# Altium PCB GameBoard_V1I1.PcbDoc (part 13 of 22) (continued)
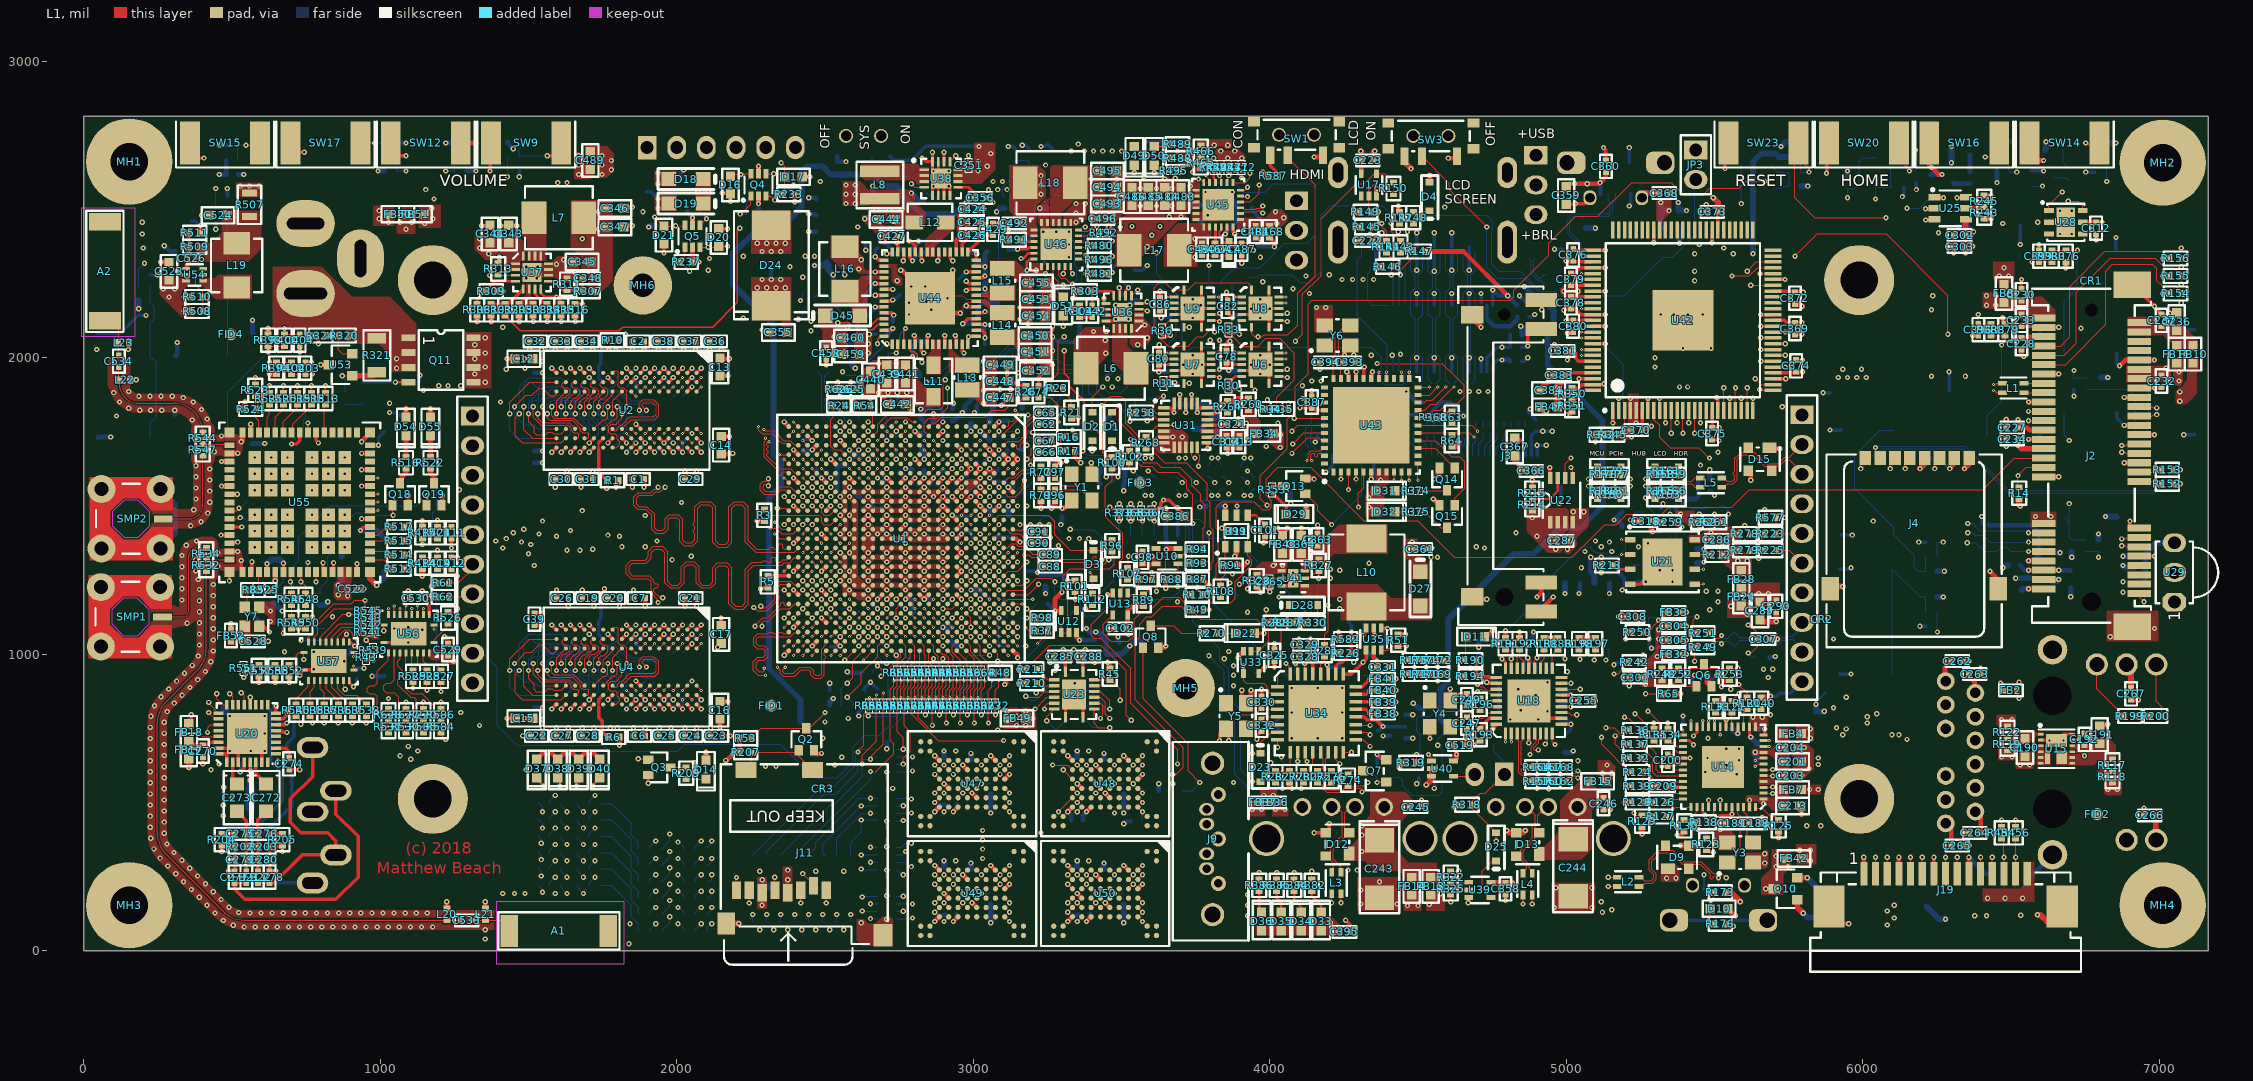
[diagram p0: L1 view]
## Nets (pads, with @x,y where several pads share a name; then routed paths per layer and width w, separated by ;. In a path a pad name is that pad's centre, name@x,y a point inside that pad or via, vN(x,y) a via of type N, cw(c..) or ccw(c..) an arc to the next point about the centre after c; other vN are vias at no path point) (continued)
  L1 w15.75: v1(149.61,2027.56) 152.56,2030.51 L23.2@152.56,2051.18 ; L22.2@156.5,1925.2 v1(177.17,1925.2) ; v1(259.84,2322.83) 285.43,2322.83 C523.2@287.4,2320.87 ; v1(338.58,2204.72) R510.1@362.2,2204.72 ; R511.1@393.7,2421.26 v1(393.7,2444.88) ; v1(397.64,2480.31) C524.2@423.23,2480.31 ; v1(464.57,1566.93) U55.23@491.14,1566.93 ; v1(464.57,1649.61) U55.20@491.14,1649.61 ; U55.24@491.14,1539.37 v1(517.72,1539.37) ; U55.19@491.14,1677.17 v1(519.68,1677.17) ; v1(531.5,1716.54) 535.43,1720.47 U55.16@535.43,1747.05 ; U55.15@562.99,1747.05 v1(562.99,1775.59) ; C528.1@590.55,1043.31 v1(622.05,1043.31) ; v1(692.91,905.51) R552.1@692.91,925.2 ; v1(937.01,1677.17) U55.63@965.55,1677.17 ; v1(937.01,1716.54) 937.01,1718.5 U55.1@965.55,1747.05 ; U55.64@965.55,1704.72 v1(994.09,1704.72) ; U56.21@1066.93,1039.37 U56.21@1096.46,1068.9 ; Q18.2@1093.9,1505.96 1094.49,1506.56 v1(1094.49,1535.43) ; Q19.2@1208.07,1505.96 1208.66,1506.56 v1(1208.66,1535.43) ; v1(1216.54,1059.06) 1228.35,1047.24 C529.1@1228.35,1035.43 ; L20.2@1224.41,140.75 v1(1224.41,165.35) ; L21.2@1354.33,140.75 v1(1354.33,165.35) ; R309.1@1393.7,2224.41 v1(1413.39,2224.41) ; v2(1427.17,783.46) C15.2@1454.72,783.46 ; v2(1427.17,1996.06) C12.2@1454.72,1996.06 ; v2(1480.31,724.41) C22.2@1507.87,724.41 ; v2(1503.94,2027.56) C32.2@1503.94,2055.12 ; v1(1515.75,2122.05) R308.1@1515.75,2141.73 ; C39.2@1519.69,1137.8 v2(1547.24,1137.8) ; v1(1562.99,2122.05) R314.1@1562.99,2141.73 ; v2(1590.55,1562.99) C30.2@1590.55,1590.55 ; v2(1590.55,2027.56) C33.2@1590.55,2055.12 ; C27.2@1594.49,724.41 v2(1594.49,751.97) ; C26.2@1594.49,1188.98 v2(1594.49,1216.54) ; v1(1610.24,2122.05) R315.1@1610.24,2141.73 ; v1(1657.48,2122.05) R316.1@1657.48,2141.73 ; v2(1677.17,1562.99) C31.2@1677.17,1590.55 ; v2(1677.17,2027.56) C34.2@1677.17,2055.12 ; C28.2@1681.1,724.41 v2(1681.1,751.97) ; C19.2@1681.1,1188.98 v2(1681.1,1216.54) ; v2(1795.28,1562.99) 1803.15,1570.87 R1.1@1803.15,1586.61 ; v2(1807.09,692.91) R6.1@1807.09,720.47 ; v2(1807.09,1161.42) C20.2@1807.09,1188.98 ; C347.2@1820.87,2440.94 1824.8,2444.88 v1(1850.39,2444.88) ; C346.2@1820.87,2503.94 1824.8,2507.87 v1(1850.39,2507.87) ; v2(1889.76,1562.99) C1.2@1889.76,1590.55 ; v2(1889.76,2027.56) C2.2@1889.76,2055.12 ; C6.2@1893.7,724.41 v2(1893.7,751.97) ; v2(1893.7,1161.42) C7.2@1893.7,1188.98 ; v2(1976.38,2027.56) C38.2@1976.38,2055.12 ; C25.2@1980.32,724.41 v2(1980.32,751.97) ; v2(2062.99,2027.56) C37.2@2062.99,2055.12 ; C24.2@2066.93,724.41 v2(2066.93,751.97) ; v2(2066.93,1161.42) C21.2@2066.93,1188.98 ; C29.2@2066.93,1590.55 v2(2066.93,1618.11) ; v2(2137.8,1023.62) 2137.8,1025.59 C17.2@2149.61,1037.4 ; v2(2145.67,753.94) C16.2@2145.67,781.5 ; C13.2@2145.67,1998.03 2147.64,1996.06 v2(2177.17,1996.06) ; C14.2@2149.61,1734.25 v2(2177.17,1734.25) ; v2(2149.61,2027.56) C36.2@2149.61,2055.12 ; C23.2@2153.54,724.41 v2(2181.1,724.41) ; v1(2271.65,1448.82) R3.1@2295.28,1448.82 ; v2(2362.2,996.06) U1.AE25@2377.95,1011.81 ; v2(2362.2,1783.47) U1.AE1@2377.95,1767.72 ; v2(2393.7,1090.55) U1.AD22@2409.45,1106.3 ; v2(2393.7,1216.54) U1.AD19@2409.45,1200.79 ; v2(2393.7,1279.53) U1.AD16@2409.45,1295.28 ; v2(2393.7,1374.02) U1.AD13@2409.45,1389.76 ; v2(2393.7,1500) U1.AD10@2409.45,1484.25 ; v2(2393.7,1594.49) U1.AD7@2409.45,1578.74 ; v2(2393.7,1688.98) U1.AD4@2409.45,1673.23 ; D17.2@2423.23,2610.24 v1(2448.82,2610.24) ; v2(2456.69,1027.56) U1.AB24@2472.44,1043.31 ; v2(2456.69,1688.98) U1.AB3@2472.44,1704.73 ; v2(2488.19,1122.05) U1.AA22@2503.94,1106.3 ; v2(2488.19,1216.54) U1.AA19@2503.94,1200.79 ; v2(2488.19,1279.53) U1.AA16@2503.94,1295.28 ; v2(2488.19,1405.51) U1.AA13@2503.94,1389.76 ; v2(2488.19,1594.49) U1.AA7@2503.94,1578.74 ; U1.AA10@2503.94,1484.25 v2(2519.69,1500) ; v1(2503.94,1976.38) C458.2@2503.94,1996.06 ; v2(2519.68,1657.48) U1.Y5@2535.43,1641.73 ; U1.Y24@2535.43,1043.31 v2(2551.18,1027.56) ; v2(2551.18,1720.47) U1.W3@2566.93,1704.73 ; U1.U11@2629.92,1452.76 v2(2645.67,1468.5) U1.T11@2661.42,1452.76 ; v2(2696.85,2393.7) 2699.16,2396.01 ccw(c2685.71,2409.45) C427.2@2704.72,2409.45 ; v2(2755.91,2295.28) 2759.84,2295.28 U44.57@2854.33,2200.79 2905.51,2149.61 v2(2956.69,2149.61) ; v2(2803.15,1657.48) U1.L5@2818.9,1641.73 ; v2(2803.15,1751.97) U1.L2@2818.9,1736.22 ; v2(2870.08,98.43) U49.K8@2885.83,114.17 ; v2(2870.08,287.4) U49.K3@2885.83,271.65 ; v2(2870.08,468.5) U47.K8@2885.83,484.25 ; v2(2870.08,657.48) U47.K3@2885.83,641.73 ; U1.J2@2881.89,1736.22 v2(2897.64,1751.97) ; U1.G19@2944.88,1200.79 v2(2960.63,1185.04) ; U1.G10@2944.88,1484.25 v2(2960.63,1500) ; U1.G3@2944.88,1704.73 v2(2960.63,1688.98) ; U1.F6@2976.38,1610.24 v2(2992.13,1625.98) U1.F5@2976.38,1641.73 ; v2(2996.06,161.42) U49.F7@3011.81,145.67 ; v2(2996.06,531.5) U47.F7@3011.81,515.75 ; U1.E6@3007.87,1610.24 v2(3023.62,1625.98) U1.E5@3007.87,1641.73 ; C424.2@3015.75,2500 v1(3035.43,2500) ; U1.D6@3039.37,1610.24 v2(3055.12,1625.98) U1.C6@3070.87,1610.24 ; U1.D3@3039.37,1704.73 v2(3055.12,1688.98) U1.C4@3070.87,1673.23 ; C356.1@3043.31,2539.37 3051.18,2539.37 v1(3066.93,2523.62) ; U1.C10@3070.87,1484.25 v2(3086.61,1500) ; U1.C1@3070.87,1767.72 v2(3086.61,1783.47) ; U1.B5@3102.36,1641.73 v2(3118.11,1657.48) U1.B4@3102.36,1673.23 ; U49.C5@3106.3,208.66 v2(3122.05,224.41) ; U47.C5@3106.3,578.74 v2(3122.05,594.49) ; v2(3118.11,1562.99) U1.A8@3133.86,1547.24 ; U1.A25@3133.86,1011.81 3149.61,996.06 v2(3149.61,988.19) ; U1.A13@3133.86,1389.76 3145.67,1389.76 v2(3157.48,1377.95) ; U1.A5@3133.86,1641.73 v2(3149.61,1657.48) U1.A4@3133.86,1673.23 ; v2(3228.35,1492.13) R79.2@3228.35,1515.75 ; v1(3263.78,1492.13) 3275.59,1503.94 C96.2@3275.59,1515.75 ; v1(3299.21,1492.13) 3307.09,1492.13 3331.69,1516.73 Y1.2@3331.69,1518.7 ; v2(3318.9,98.43) U50.K8@3334.65,114.17 ; v2(3318.9,287.4) U50.K3@3334.65,271.65 ; v2(3318.9,468.5) U48.K8@3334.65,484.25 ; v2(3318.9,657.48) U48.K3@3334.65,641.73 ; v1(3334.65,2200.79) R303.1@3358.27,2224.41 ; R17.1@3342.52,1685.04 3342.52,1665.35 v1(3362.2,1645.67) ; U12.3@3348.43,1072.83 3348.43,1057.09 v1(3358.27,1047.24) ; v1(3397.64,1645.67) 3397.64,1610.24 Y1.4@3400.59,1607.28 ; v1(3409.45,972.44) C288.2@3409.45,992.13 ; v2(3444.88,161.42) U50.F7@3460.63,145.67 ; v2(3444.88,531.5) U48.F7@3460.63,515.75 ; U50.C5@3555.12,208.66 v2(3570.87,224.41) ; U48.C5@3555.12,578.74 v2(3570.87,594.49) ; v1(3555.12,1330.71) 3555.12,1334.65 3566.93,1346.46 C98.2@3570.87,1346.46 ; Q8.2@3624.02,1021.65 3643.7,1021.65 v1(3649.61,1027.56) ; C80.2@3625.98,2015.75 v2@3625.98,2039.37 ; C86.2@3629.92,2200.79 v2(3629.92,2224.41) ; R36.1@3637.8,2080.12 3643.11,2074.8 v2(3665.35,2074.8) ; v1(3650,1492) 3650,1467.91 3649.61,1467.52 C386.2@3651.57,1465.55 ; v1(3650.59,1353.35) 3653.54,1356.3 U10.3@3690.94,1356.3 ; C78.2@3854.33,2023.62 3854.33,2047.24 3862.21,2055.12 v1(3866.14,2055.12) ; v1(3858.27,1677.17) 3858.27,1692.91 C314.2@3854.33,1696.85 C313.2@3897.64,1696.85 ; v1(3881.89,1330.71) 3887.8,1336.61 U11.2@3887.8,1362.2 ; v1(3893.7,988.19) 3893.7,992.13 U33.3@3911.42,1009.84 ; C321.2@3893.7,1775.59 v1(3893.7,1795.28) ; v1(3905.51,2318.9) C487.2@3905.51,2346.46 ; Y5.4@3915.35,834.65 3937.01,856.3 v1(3937.01,877.95) ; C481.2@3954.72,2407.48 3958.66,2407.48 v1(3972.44,2393.7) ; R328.1@3956.69,1228.35 3956.69,1220.47 v1(3968.5,1208.66) ; v1(3979.33,1375.98) 3984.25,1380.91 C101.2@3984.25,1397.64 ; v1(4000,1210.04) C365.2@4000,1233.66 ; C325.2@4015.75,1015.75 v1(4015.75,1035.43) ; R35.1@4062.99,1826.77 v1(4062.99,1846.46) ; U41.7@4078.74,1232.28 v1(4078.74,1236.22) ; U41.7@4078.74,1238.96 U41.7@4078.74,1255.91 ; C329.2@4098.43,1031.5 v1(4098.43,1051.18) ; C364.2@4106.3,1399.61 v1(4106.3,1425.2) ; Q13.2@4120.08,1592.52 4147.64,1592.52 v1(4149.61,1590.55) ; C387.2@4141.73,1870.08 v1(4141.73,1889.76) ; v1(4149.61,2677.17) 4173.23,2677.17 SW1.1@4179.13,2683.07 ; C363.2@4161.42,1405.51 v1(4161.42,1435.04) ; v1(4169.29,1960.63) C394.1@4169.29,1984.25 ; v1(4251.97,2007.87) 4251.97,2021.65 Y6.2@4271.65,2041.34 ; v1(4283.46,2007.87) 4287.4,2003.94 C393.1@4287.4,1984.25 ; v1(4287.4,2393.7) C222.2@4303.15,2393.7 ; v1(4287.4,2440.94) R145.1@4303.15,2440.94 ; U17.3@4360.24,2545.28 4360.24,2568.9 v1(4362.2,2570.87) ; v1(4433.07,2511.81) 4433.07,2496.06 R142.2@4437.01,2492.13 ; C361.2@4527.56,1354.33 4543.31,1354.33 v1(4547.24,1358.27) ; U40.3@4545.28,588.58 U40.2@4545.28,614.17 ; v1(4551.18,1523.62) Q15.2@4572.83,1501.97 ; v1(4555.12,1590.55) 4572.83,1608.27 Q14.2@4572.83,1627.95 ; v1(4602.36,2673.23) 4625.98,2673.23 SW3.1@4631.89,2679.13 ; J3.3@4683.07,1192.91 4690.94,1185.04 v1(4732.28,1185.04) ; J3.6@4683.07,2145.67 4683.07,2131.89 v1(4712.6,2102.36) ; D11.1@4724.41,1051.18 v1(4751.97,1078.74) ; R191.1@4795.28,1055.12 v1(4795.28,1078.74) ; v1(4901.57,1192.91) 4915.35,1206.69 J3.2@4915.35,1242.13 ; J3.1@4915.35,1143.7 4915.35,1151.57 v1(4956.69,1192.91) ; v1(4992.13,2160.43) 4997.05,2165.35 C378.2@5015.75,2165.35 ; C246.2@5125.98,476.38 v1(5149.61,476.38) ; v1(5200.79,555.12) R139.1@5220.47,555.12 ; v1(5527.56,1366.14) C286.2@5527.56,1385.83 ; R176.1@5539.37,90.55 5547.24,82.68 v1(5562.99,82.68) ; D10.2@5545.28,141.73 5568.9,118.11 v1(5570.87,118.11) ; D15.3@5614.17,1618.11 5622.05,1610.24 v1(5622.05,1586.61) ; J19.16@5886.22,149.61 5886.22,117.72 5913.39,90.55 v1(5952.76,90.55) ; J19.1@6003.94,259.84 v1(6003.94,314.96) ; J19.4@6122.05,259.84 v1(6122.05,314.96) ; SW16.1@6224.41,2681.1 6224.41,2649.61 v1(6232.28,2641.73) 6255.91,2618.11 v1(6267.72,2618.11) ; v1(6293.31,1625.98) 6309.06,1641.73 J4.C5@6309.06,1661.42 ; C303.1@6307.09,2374.02 C302.2@6307.09,2413.39 ; C262.1@6338.58,976.38 v1(6358.27,976.38) ; J19.10@6358.27,259.84 v1(6358.27,314.96) ; C263.1@6397.64,933.07 v1(6397.64,952.76) ; v1(6429.13,1279.53) 6456.69,1251.97 J4.G1@6456.69,1220.47 ; v1(6484.25,1700.79) C234.2@6484.25,1724.41 ; C228.2@6535.43,2027.56 6535.43,2011.81 v1(6543.31,2003.94) ; v1(6559.06,1724.41) J2.26@6610.24,1724.41 ; v1(6559.06,1850.39) J2.34@6610.24,1850.39 ; SW14.1@6562.99,2681.1 6578.74,2665.35 v1(6610.24,2665.35) ; J2.4@6610.24,1251.97 v1(6661.42,1251.97) ; J2.18@6610.24,1598.43 v1(6661.42,1598.43) ; J2.40@6610.24,1944.88 v1(6661.42,1944.88) ; U28.2@6627.95,2456.69 U28.7@6685.04,2456.69 ; v1(6866.14,1972.44) 6885.83,1992.13 J2.43@6933.07,1992.13 v1(6984.25,1992.13) ; v1(6881.89,1645.67) J2.21@6933.07,1645.67 ; v1(6881.89,1771.65) J2.29@6933.07,1771.65 ; v1(6881.89,1866.14) J2.35@6933.07,1866.14 ; J2.27@6933.07,1740.16 v1(6984.25,1740.16)
  L1 w19.68: U55.49@965.55,1276.57 965.55,1254.92 v1(988.19,1232.28) ; v1(1094.49,1212.6) 1099.41,1207.68 C530.2@1099.41,1188.98 ; J11.11@2166.34,91.54 v2(2209.25,91.54) ; C97.2@3275.59,1633.86 3287.4,1645.67 v1(3295.28,1645.67) ; C223.2@4350.39,2665.35 4350.39,2692.91 v1(4354.33,2696.85) ; v1(4527.56,559.06) 4545.28,576.77 U40.3@4545.28,588.58 ; v1(4799.21,405.51) 4807.09,397.64 D13.3@4830.71,397.64 4854.33,397.64 v1(4862.2,405.51) ; C384.2@4911.42,1889.76 4911.42,1891.73 v1(4940.94,1921.26) 4940.94,1925.2 C383.2@4956.69,1940.94 ; v1(4960.63,2043.31) 4968.5,2035.43 C381.2@4968.5,2022.64 ; v1(5000,1807.09) 5007.87,1807.09 R351.1@5019.69,1818.9 ; v1(5003.94,2082.68) 5007.87,2086.61 C380.2@5023.62,2086.61 ; J18.7@5254.92,2539.37 5270.67,2555.12 C368.2@5311.02,2555.12 ; v1(5385.83,354.33) D9.3@5413.39,354.33 v1(5440.94,354.33) ; v1(5476.38,929.13) 5476.38,905.51 Q6.2@5490.16,891.73 ; v1(5507.87,929.13) 5519.69,929.13 5535.43,913.39 R253.1@5551.18,913.39 ; C289.2@5653.54,1116.14 5659.45,1110.24 v1(5708.66,1110.24) C290.1@5708.66,1141.73 ; C188.2@5657.48,429.13 5657.48,444.88 v1(5661.42,448.82) ; R140.1@5657.48,854.33 5685.04,854.33 v1(5688.98,858.27) ; C307.2@5685.04,1051.18 v1(5712.6,1051.18) ; v1(5716.54,381.89) R125.2@5716.54,401.57 ; C372.2@5771.65,2181.1 5787.4,2181.1 v1(5795.28,2173.23) ; v1(5793.31,460.63) C213.2@5793.31,488.19 ; J4.G2@5874.02,1220.47 J4.G2@5889.76,1220.47 5905.51,1220.47 5913.39,1228.35 v1(5933.07,1228.35) ; C265.1@6338.58,354.33 v1(6358.27,354.33) ; v1(6338.58,397.64) C264.1@6358.27,397.64 ; C227.2@6484.25,1763.78 v1(6484.25,1791.34) ; v1(6589.57,121.06) 6599.02,121.06 6621.65,98.43 J19.17@6672.84,149.61 ; C267.2@6905.51,846.46 v1(6929.13,846.46)
  L12 w7.87: C186.2@2614.17,1143.7 C186.2@2614.76,1143.11 ; J5.5@5462.6,207.68 5464.57,209.65 v1(5464.57,255.91) ; J5.9@5559.06,102.36 5555.12,98.43 5562.99,90.55 v1(5562.99,82.68)
  L12 w9.84: v1(4153.54,1715.55) 4161.42,1723.43 D30.2@4161.42,1739.17 ; D8.2@6401.57,1438 v1(6401.57,1464.57)
  L12 w11.02: TP26.1@362.2,2460.63 377.95,2460.63 v1(393.7,2444.88) ; v1(994.09,1704.72) 994.09,1731.3 SW19.1@1013.78,1750.98 ; R506.1@1129.92,1917.32 1133.86,1921.26 v1(1133.86,1940.94) ; R499.1@3013.19,1649.61 3013.19,1636.42 v2(3023.62,1625.98)
  L12 w11.81: SW13.1@47.24,2082.68 123.03,2082.68 183.07,2142.72 v1(209.65,2142.72) ; C402.2@224.41,2279.53 v1(248.03,2279.53) ; v1(1468.5,2610.24) C400.2@1468.5,2629.92 ; v2(1578.74,814.96) U5.T1@1594.49,830.71 ; v2(1578.74,1098.43) U5.T9@1594.49,1082.68 ; v2(1578.74,1681.1) U3.T1@1594.49,1696.85 ; v2(1578.74,1964.57) U3.T9@1594.49,1948.82 ; v2(1641.73,814.96) U5.P1@1657.48,830.71 ; v2(1641.73,1098.43) U5.P9@1657.48,1082.68 ; v2(1641.73,1681.1) U3.P1@1657.48,1696.85 ; v2(1641.73,1964.57) U3.P9@1657.48,1948.82 ; v2(1704.72,814.96) U5.M1@1720.47,830.71 ; v2(1704.72,1098.43) U5.M9@1720.47,1082.68 ; v2(1704.72,1681.1) U3.M1@1720.47,1696.85 ; v2(1704.72,1964.57) U3.M9@1720.47,1948.82 ; R2.1@1803.15,2059.06 1807.09,2059.06 v1(1826.77,2078.74) ; U5.J2@1814.96,862.2 v2(1830.71,846.46) ; U5.J8@1814.96,1051.18 v2(1830.71,1066.93) ; U3.J2@1814.96,1728.35 v2@1830.71,1712.6 ; U3.J8@1814.96,1917.32 v2(1830.71,1933.07) ; U5.G1@1877.95,830.71 v2(1893.7,846.46) ; U5.G8@1877.95,1051.18 v2(1893.7,1066.93) ; U5.G9@1877.95,1082.68 v2(1893.7,1098.43) U5.F9@1909.45,1082.68 ; U3.G1@1877.95,1696.85 v2(1893.7,1712.6) ; U3.G8@1877.95,1917.32 v2(1893.7,1933.07) ; U3.G9@1877.95,1948.82 v2(1893.7,1964.57) U3.F9@1909.45,1948.82 ; v2(1925.2,814.96) U5.E1@1940.94,830.71 ; v2(1925.2,1681.1) U3.E1@1940.94,1696.85 ; U5.E2@1940.94,862.2 U5.D1@1972.44,830.71 ; U5.E8@1940.94,1051.18 v2(1956.69,1066.93) U5.D8@1972.44,1051.18 ; U3.E2@1940.94,1728.35 U3.D1@1972.44,1696.85 ; U3.E8@1940.94,1917.32 v2(1956.69,1933.07) U3.D8@1972.44,1917.32 ; U5.B1@2035.43,830.71 v2(2051.18,814.96) ; U5.B3@2035.43,893.7 v2(2051.18,909.45) ; U5.B9@2035.43,1082.68 v2(2051.18,1098.43) U5.A9@2066.93,1082.68 ; U3.B1@2035.43,1696.85 v2(2051.18,1681.1) ; U3.B3@2035.43,1759.84 v2(2051.18,1744.09) ; U3.B9@2035.43,1948.82 v2(2051.18,1964.57) U3.A9@2066.93,1948.82 ; R74.1@2515.75,877.95 v1(2515.75,901.57) ; R73.1@2518.98,1025.25 2548.88,1025.25 v2(2551.18,1027.56) ; R438.1@2570.87,2070.87 2570.87,2051.18 2574.8,2047.24 v2(2645.67,2047.24) ; R75.1@2633.86,877.95 2629.92,881.89 v1(2653.54,905.51) R76.1@2677.17,881.89 ; v1(2637.8,2362.2) C457.2@2637.8,2381.89 ; v2(2645.67,1185.04) v2@2647.05,1185.04 ; v2(2649.61,2078.74) C474.2@2673.23,2078.74 ; C123.2@2688.98,1494.69 2703.35,1494.69 v2(2708.66,1500) ; C157.2@2750.59,1165.35 2759.84,1165.35 v2(2771.65,1153.54) ; v1@2791.34,1818.9 2791.34,1838.58 R208.1@2811.02,1858.27 ; v1(2929.13,1405.51) 2929.13,1399.61 C109.2@2954.72,1374.02 ; R29.1@2972.44,1937.01 2988.19,1937.01 v1(2992.13,1933.07) ; R84.1@3069.49,1393.7 3141.73,1393.7 v2(3157.48,1377.95) ; v1(3086.61,1153.54) 3104.33,1171.26 C142.2@3104.33,1185.04 ; v2(3086.61,1500) 3106.3,1519.68 C95.2@3107.68,1519.69 ; C60.2@3106.3,1866.93 3125.98,1886.62 v1(3125.98,1893.7) ; C164.2@3108.86,1582.68 3108.86,1572.24 v2(3118.11,1562.99) 3120.67,1565.55 C94.2@3137.8,1565.55 ; v1(3118.11,2712.6) 3133.86,2712.6 R484.1@3141.73,2704.72 ; v1(3165.35,2716.54) 3177.17,2716.54 R483.1@3188.98,2704.72 ; C63.2@3177.17,1787.4 3185.04,1795.28 v1(3185.04,1807.09) ; C161.2@3179.13,1279.53 v2@3212.6,1279.53 ; v1(3228.35,2712.6) 3243.11,2712.6 3250.98,2720.47 D52.2@3267.72,2703.74 ; C490.2@3240.16,2318.9 C491.2@3240.16,2358.27 ; C497.2@3240.16,2397.64 C491.2@3240.16,2358.27 ; v2(3267.72,2070.87) 3286.42,2052.17 3349.41,2052.17 C340.2@3356.3,2059.06 C339.2@3356.3,2003.94 ; v1(3322.83,2381.89) v1(3322.83,2338.58) 3279.53,2338.58 3259.84,2358.27 C491.2@3240.16,2358.27 ; v1(3480.31,2129.92) 3494.09,2116.14 C337.2@3494.09,2070.87 ; R297.1@3543.31,2295.28 3570.87,2295.28 v1(3586.61,2311.02) ; v1(3669.29,2570.87) 3684.06,2570.87 ; v1(4188.98,1614.17) 4212.6,1637.8 LCD1.36@4212.6,1671.26 ; v1(4342.52,1590.55) 4350.39,1598.43 LCD1.29@4350.39,1671.26 ; C333.2@4362.2,799.21 C334.2@4362.2,838.58 v1(4381.89,858.27) C335.2@4362.2,877.95 C336.2@4362.2,917.32 v1(4385.83,940.94) ; J1.17@4377.95,2359.84 v1(4377.95,2421.26) ; C392.2@4425.2,1820.87 4451.77,1820.87 4465.55,1807.09 4535.43,1807.09 4578.74,1850.39 R575.1@4590.55,1850.39 4606.3,1850.39 v1(4653.54,1803.15) ; v1(4496.06,562.99) 4502.95,569.88 U52.3@4502.95,584.65 ; U16.14@4496.06,1952.76 v1(4496.06,2000) ; U16.25@4496.06,2177.17 v1(4496.06,2216.54) ; v1(4496.06,2295.28) J1.11@4496.06,2359.84 ; J1.11@4496.06,2374.02 v1(4496.06,2421.26) ; v1(4555.12,547.24) 4557.09,549.21 U51.3@4557.09,572.83 ; U16.11@4555.12,1952.76 v1(4555.12,2000) ; U16.28@4555.12,2177.17 v1(4555.12,2216.54) ; v1(4555.12,2291.34) J1.8@4555.12,2359.84 ; J1.8@4555.12,2374.02 v1(4555.12,2421.26) ; U16.8@4614.17,1952.76 v1(4614.17,2000) ; U16.31@4614.17,2177.17 v1(4614.17,2216.54) ; v1(4614.17,2295.28) J1.5@4614.17,2359.84 ; J1.5@4614.17,2374.02 v1(4614.17,2421.26) ; v1(4641.73,862.2) 4667.32,836.61 C254.2@4667.32,834.65 ; U16.5@4673.23,1952.76 v1(4673.23,2000) ; U16.34@4673.23,2177.17 v1(4673.23,2216.54) ; v1(4673.23,2295.28) J1.2@4673.23,2359.84 ; U16.3@4712.6,1952.76 v1(4712.6,1996.06) ; U16.36@4712.6,2185.04 v1(4712.6,2216.54) ; C248.2@4842.52,1055.12 v1(4842.52,1074.8) ; v1(4842.52,2208.66) C221.2@4874.02,2177.17 ; C218.2@4850.39,1988.19 4858.27,1988.19 v1(4870.08,2000) ; C219.2@4850.39,2035.43 4866.14,2035.43 v1(4870.08,2039.37) ; LCD1.3@4862.2,1671.26 v1(4862.2,1704.72) ; 4870.08,1818.9 C362.2@4897.64,1791.34 ; C220.2@4874.02,2137.8 4885.83,2137.8 v1(4893.7,2145.67) ; v1(4960.63,2366.14) D26.3@4988.19,2366.14 ; v1(4976.38,1507.87) 4982.28,1513.78 LCD1.41@4982.28,1566.93 ; J18.9@5122.05,2657.48 5125.98,2661.42 v1(5125.98,2708.66) ; v1(5161.42,964.57) 5167.32,970.47 U24.3@5190.94,970.47 ; v1(5212.6,2511.81) 5218.5,2517.72 J18.5@5218.5,2552.17 ; J18.10@5212.6,2657.48 v1(5212.6,2708.66) ; C317.2@5236.22,1244.09 v1(5267.72,1244.09) ; U27.3@5277.56,1072.83 5277.56,1053.15 v1(5279.53,1051.18) 5279.53,1027.56 v1(5287.4,1019.68) 5339.96,1019.68 U26.2@5346.46,1026.18 ; U30.5@5319.88,1492.13 5319.88,1500.98 v1(5326.77,1507.87) ; J5.11@5349.41,102.36 J5.10@5468.5,102.36 ; U30.7@5370.08,1502.95 5370.08,1484.25 5381.89,1472.44 v1(5385.83,1472.44) ; C198.2@5393.7,767.72 v1(5393.7,791.34) ; C199.2@5394.09,649.21 5416.93,649.21 v1(5417.32,649.61) ; U30.13@5420.28,1413.39 5440.94,1413.39 v1(5448.82,1421.26) 5437.01,1433.07 U30.12@5420.28,1433.07 ; v1(5476.38,929.13) C208.2@5492.13,913.39 ; C208.2@5488.19,899.61 5488.19,909.45 C208.2@5492.13,913.39 ; v1(5507.87,929.13) C208.2@5492.13,913.39 ; J5.9@5559.06,102.36 J5.8@5678.15,102.36 ; C306.2@5685.04,992.13 5685.04,984.25 5692.91,992.13 v1(5704.72,992.13) ; C309.2@5685.04,1110.24 v1(5708.66,1110.24) ; v1(5688.98,858.27) 5710.63,858.27 C205.2@5720.47,868.11 5756.3,868.11 J12.10@5795.28,907.09 ; v1(5866.14,1881.89) 5881.89,1881.89 5885.83,1877.95 C298.2@5889.76,1881.89 ; v1(5889.76,1755.91) 5926.18,1755.91 SW22.1@5927.17,1754.92 ; SW21.2@5923.23,934.06 5924.21,933.07 v1(5960.63,933.07) ; SW21.1@5923.23,1286.42 5955.71,1286.42 v1(5960.63,1291.34) ; SW22.2@5927.17,1402.56 5963.58,1402.56 v1(5964.57,1401.57) ; v1(6133.86,2543.31) 6137.8,2547.24 C410.2@6137.8,2574.8 ; v1(6188.98,1377.95) C414.2@6212.6,1377.95 ; v1(6192.91,1094.49) C415.2@6212.6,1094.49 ; C239.2@6263.78,1661.42 6263.78,1655.51 v1(6293.31,1625.98) ; C297.2@6291.34,1889.76 v1(6291.34,1952.76) ; C225.2@6314.96,2445.67 6353.54,2445.67 v1(6374.02,2425.2) ; v1(6531.5,2381.89) C224.2@6531.5,2445.67 ; SW7.2@6596.46,2089.57 6609.25,2102.36 v1(6661.42,2102.36) ; v2(6712.6,1870.08) C397.2@6712.6,1893.7 ; v1(6751.97,2625.98) C407.2@6783.46,2625.98 ; v1(6854.33,2405.51) 6854.33,2367.13 SW4.2@6856.3,2365.16 ; SW5.2@6856.3,1813.98 6856.3,1797.24 v1(6881.89,1771.65) ; SW4.1@6856.3,2012.8 6856.3,1982.28 v1(6866.14,1972.44) ; v1(7035.43,2149.61) 7091.54,2093.5 SW6.2@7120.08,2093.5 ; v1(7082.68,1740.16) 7119.09,1740.16 SW6.1@7120.08,1741.14 ; J1.2@4673.23,2359.84 4673.23,2374.02 J1.2@4673.23,2359.84
  L12 w13.78: RN3.1@2708.66,82.68 v2(2708.66,106.3) ; v2(2708.66,185.04) RN3.6@2708.66,208.66 ; RN4.1@2708.66,248.03 v2(2708.66,271.65) ; v2(2708.66,350.39) RN4.6@2708.66,374.02 ; RN1.1@2708.66,413.39 v2(2708.66,437.01) ; RN1.6@2708.66,539.37 2716.54,547.24 v2(2728.35,547.24) ; RN2.1@2708.66,578.74 v2(2708.66,602.36) ; v2(2708.66,681.1) RN2.6@2708.66,704.72